# Altium PCB MCU.PcbDoc (part 1 of 3) (continued)
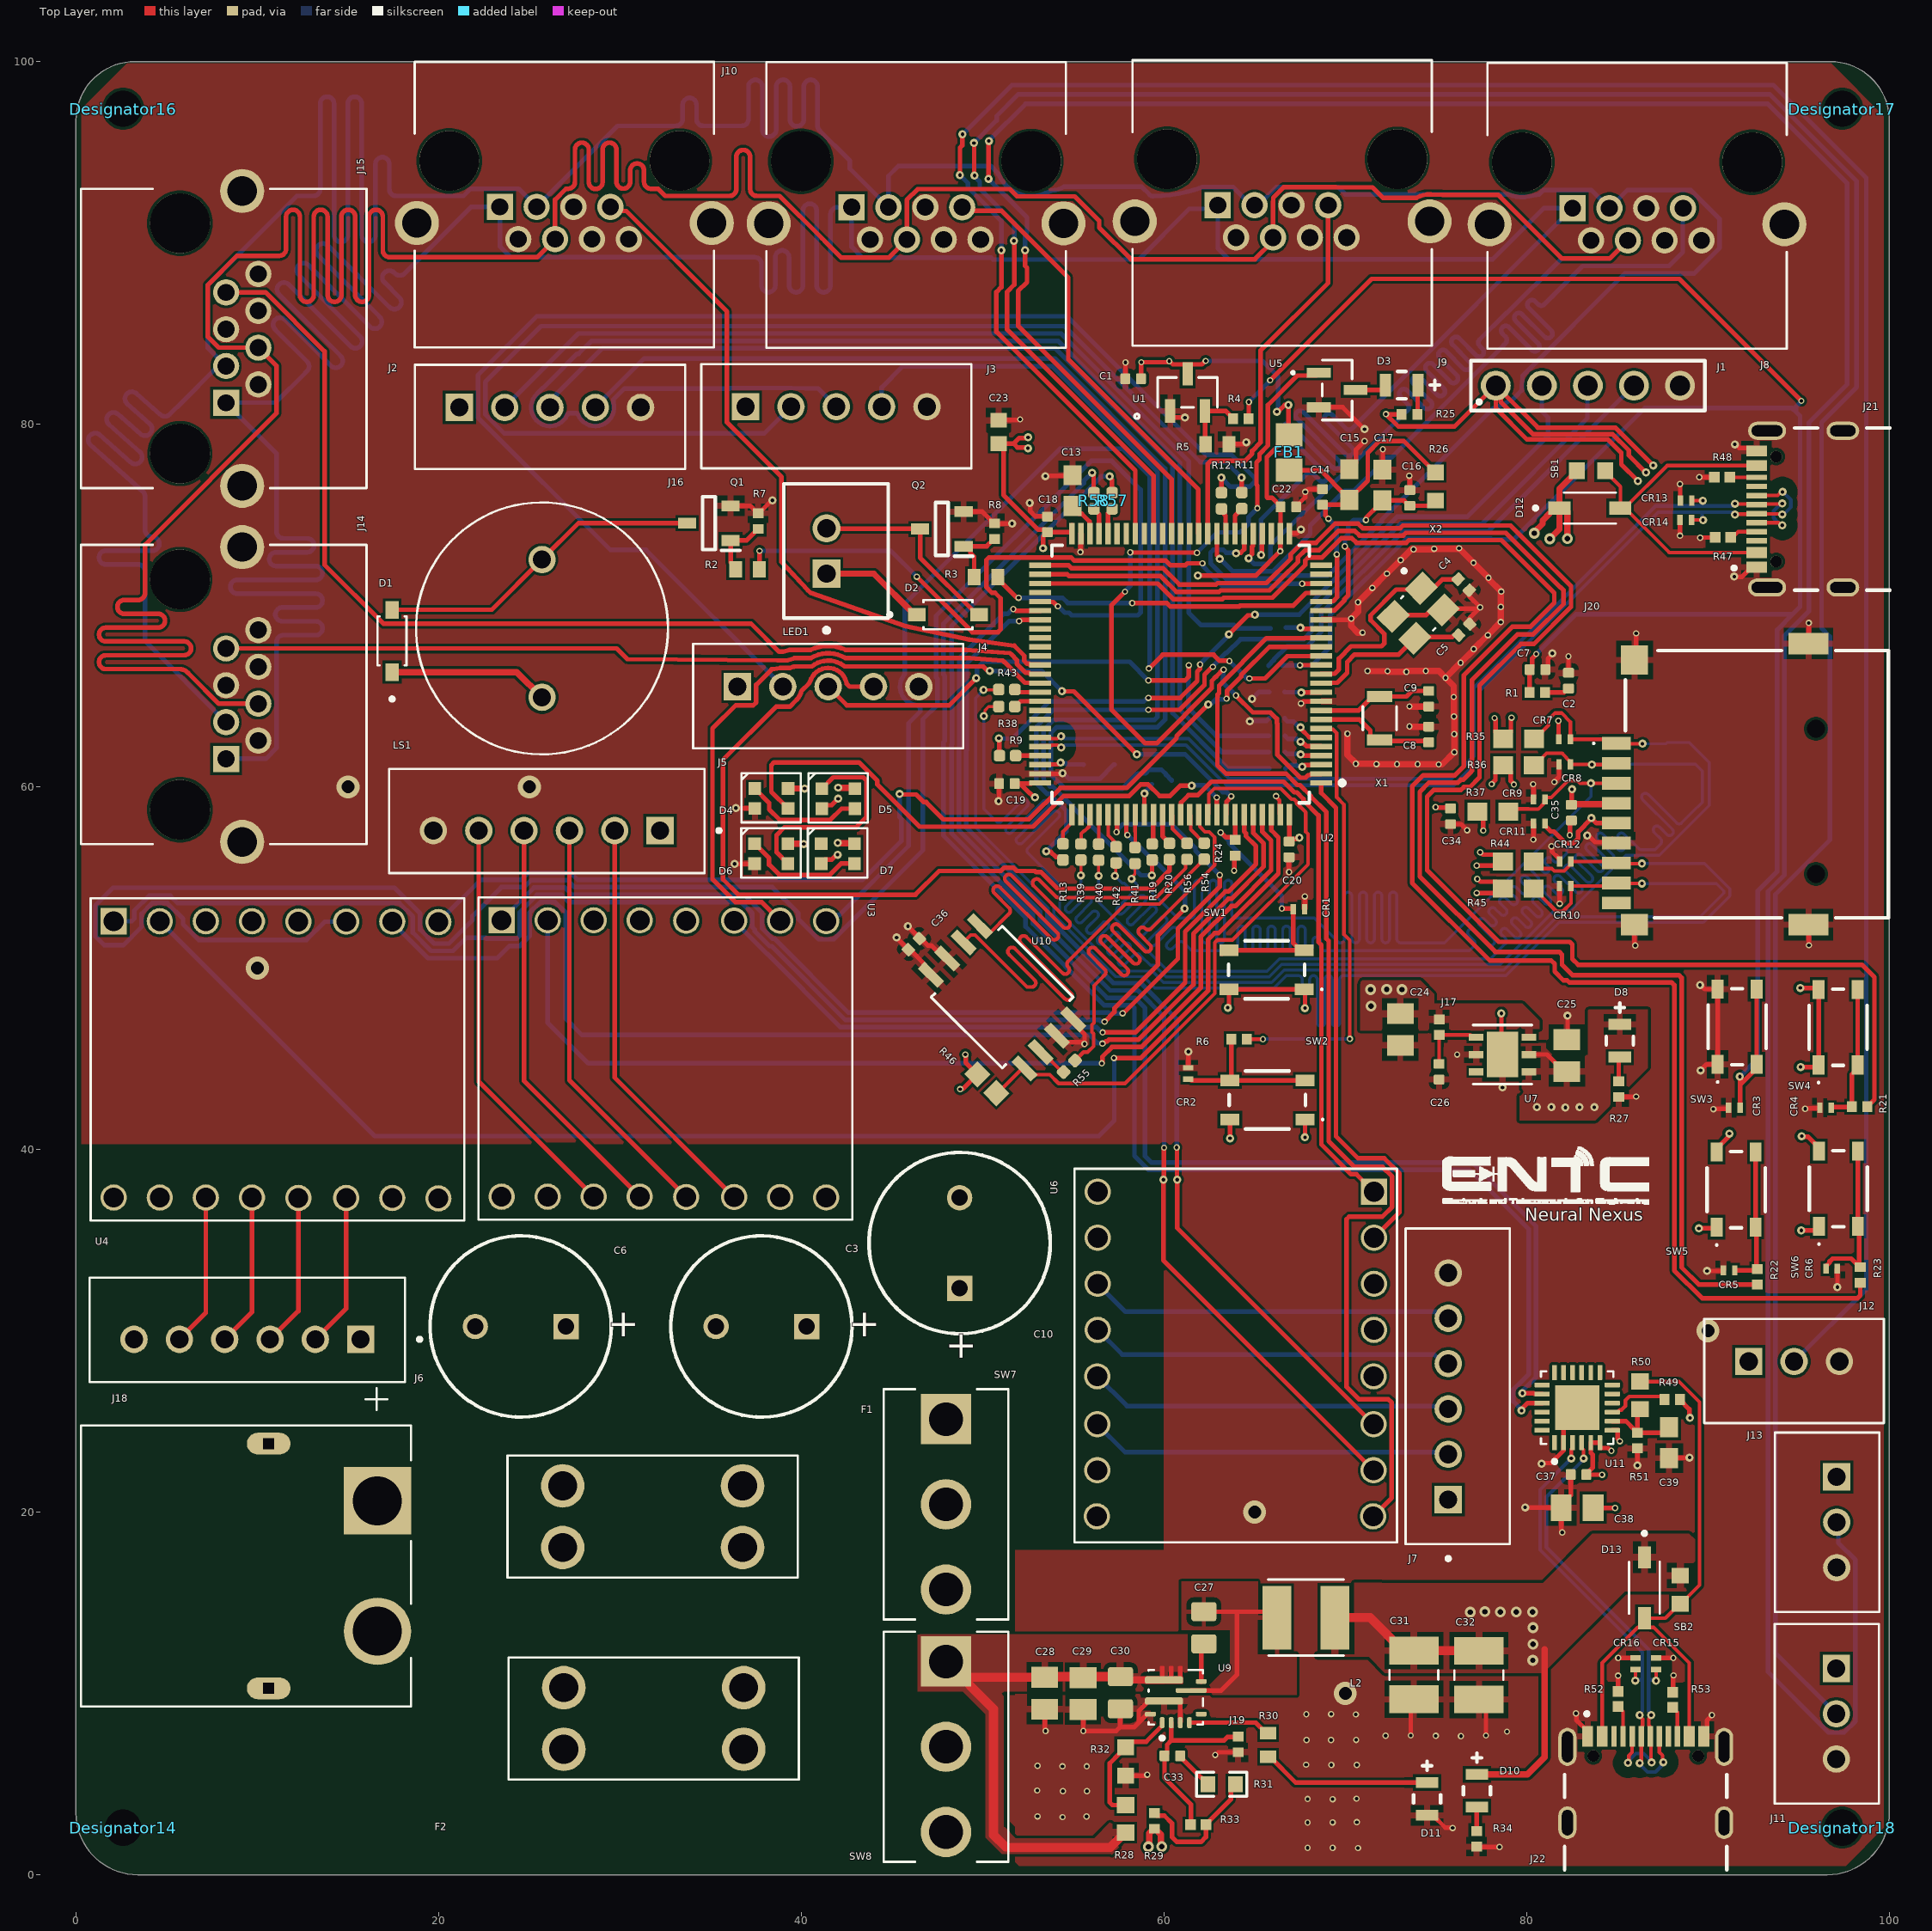
[diagram p0: Top Layer view]
## Part data (continued)
C28 C29: library part GRM21BZ71E106KE15L, "SMD capacitor X7R(MURATA) with capacitance 10uF Tol.10%. Rated voltage 25Vdc 125C", Package="2012 Murata", Check_prices=https://www.snapeda.com/parts/GRM21BZ71E106KE15L/Murata/view-part/?ref=eda, MF=Murata, MP=GRM21BZ71E106KE15L, SnapEDA_Link=https://www.snapeda.com/parts/GRM21BZ71E106KE15L/Murata/view-part/?ref=snap
C31 C32: library part GRM32ER71E226KE15L, "SMD capacitor X7R(EIA) with capacitance 22uF Tol.10%. Rated voltage 25Vdc 125C", Package="3225 Murata", Check_prices=https://www.snapeda.com/parts/GRM32ER71E226KE15L/Murata+Electronics+North+America/view-part/?ref=eda, MF="Murata Electronics", MP=GRM32ER71E226KE15L, SnapEDA_Link=https://www.snapeda.com/parts/GRM32ER71E226KE15L/Murata+Electronics+North+America/view-part/?ref=snap
C33: library part CL05C101JB5NNNC, "100 pF Â±5% 50V Ceramic Capacitor C0G, NP0 0402 (1005 Metric)", Package="SMD-2 Samsung", Check_prices=https://www.snapeda.com/parts/CL05C101JB5NNNC/Samsung/view-part/?ref=eda, MF="Samsung Electro-Mechanics", MP=CL05C101JB5NNNC, SnapEDA_Link=https://www.snapeda.com/parts/CL05C101JB5NNNC/Samsung/view-part/?ref=snap
C34: library part JMK105BJ105KV-F, "1 ÂµF Â±10% 6.3V Ceramic Capacitor X5R 0402 (1005 Metric)", Package="1005 Taiyo Yuden", Check_prices=https://www.snapeda.com/parts/JMK105BJ105KV-F/Taiyo+Yuden/view-part/?ref=eda, MF="Taiyo Yuden", MP=JMK105BJ105KV-F, SnapEDA_Link=https://www.snapeda.com/parts/JMK105BJ105KV-F/Taiyo+Yuden/view-part/?ref=snap
CR1 CR2 CR3 CR4 CR5 CR6 CR7 CR8 CR9 CR10 CR11 CR12 CR13 CR14 CR15 CR16: "Description", Manufacturer_Name="Littelfuse Inc", Copyright="Copyright (C) 2025 Ultra Librarian. All rights reserved.", Manufacturer_Part_Number=SP0402B-ULC-01ETG, RefDes=RefDes, Type=Type
D1 D2: "Small Signal Diode, SOD-123F, 100V, 0.15A, 150Â°C", Package="SOD-123F Diotec", Check_prices=https://www.snapeda.com/parts/1N4148W/Diotec/view-part/?ref=eda, MF="Diotec Semiconductor", MP=1N4148W, SnapEDA_Link=https://www.snapeda.com/parts/1N4148W/Diotec/view-part/?ref=snap
D3 D8 D10 D11: library part "RED GREEN", "LED RED CLEAR SMD", TRONIC part No=LE0011
D4 D5 D6 D7: "Intelligent control LED integrated light source", LCSC Part Number=C2976072, Manufacturer_Name=Worldsemi, Datasheet Link=http://www.world-semi.com/DownLoadFile/139, Geometry.Height=0.84mm, Manufacturer_Part_Number=WS2812C-2020
D12 D13: "Diode Schottky 40 V 1A Surface Mount SOD-123", Package="SOD-123 Fairchild Semiconductor", Availability="In Stock", Check_prices=https://www.snapeda.com/parts/1N5819HW-7-F/Diodes+Inc./view-part/?ref=eda, MF="Diodes Inc.", MP=1N5819HW-7-F, Price=None, Purchase-URL=https://pricing.snapeda.com/search/part/1N5819HW-7-F/?ref=eda, SnapEDA_Link=https://www.snapeda.com/parts/1N5819HW-7-F/Diodes+Inc./view-part/?ref=snap
F1 F2: "Auto Fuse Holder, Mini, THM, 1 Fuse, 30Amp, Hi-Temp Nylon, UL94V-0, Brass/Tin", Package="NON STANDARD Keystone", Check_prices=https://www.snapeda.com/parts/3568/Keystone/view-part/?ref=eda, MF="Keystone Electronics", MP=3568, SnapEDA_Link=https://www.snapeda.com/parts/3568/Keystone/view-part/?ref=snap
FB1: "EMI Ferrite Chip Bead, 0805, 1000MA, 1000 Ohms @100MHz, DCR Max 0.150Ohm", Package="0805 Laird", Check_prices=https://www.snapeda.com/parts/MI0805J102R-10/Laird-Signal+Integrity+Products/view-part/?ref=eda, MF="Laird-Signal Integrity Products", MP=MI0805J102R-10, SnapEDA_Link=https://www.snapeda.com/parts/MI0805J102R-10/Laird-Signal+Integrity+Products/view-part/?ref=snap
J1: library part B5B-XH-A, "Connector Header Through Hole 5 position 0.098 (2.50mm)", Package=None, Check_prices=https://www.snapeda.com/parts/B5B-XH-A/JST+Sales+America+Inc./view-part/?ref=eda, MF="JST Sales", MP=B5B-XH-A, SnapEDA_Link=https://www.snapeda.com/parts/B5B-XH-A/JST+Sales+America+Inc./view-part/?ref=snap
J2 J3 J4: library part B5B-XH-A_1, "Connector Header Through Hole 5 position 0.098 (2.50mm)", Package=None, Check_prices=https://www.snapeda.com/parts/B5B-XH-A/JST+Sales+America+Inc./view-part/?ref=eda, MF="JST Sales", MP=B5B-XH-A, SnapEDA_Link=https://www.snapeda.com/parts/B5B-XH-A/JST+Sales+America+Inc./view-part/?ref=snap
J5 J6 J7: "Connector Header Through Hole 6 position 0.098 (2.50mm)", Package=None, Availability=Unavailable, MF="{'manufacturer': u'JST Sales America Inc.'}", MP=B6B-XH-A, Price=None
J8 J9 J10 J14 J15 J16: library part RJHSE5380, "CONN MOD JACK 8P8C R/A SHIELDED", Package=None, Availability=Unavailable, MF=Amphenol, MP=RJHSE5380, Price=None
J11 J12 J13: "Connector Header Through Hole 3 position 0.098 (2.50mm)", Package=None, Check_prices=https://www.snapeda.com/parts/B3B-XH-A/JST/view-part/?ref=eda, MF="JST Sales", MP=B3B-XH-A, SnapEDA_Link=https://www.snapeda.com/parts/B3B-XH-A/JST/view-part/?ref=snap
J17 J19 R7 R8 R24: library part SMD-RES-10K-5%-1/(0402), "301010004", Package=None, Availability=Unavailable, MF="{'manufacturer': u'YAGEO'}", MP=RC0402JR-0710KL, Price=None
J18: "Socket, DC supply, male, PIN: 2", LCSC Part Number=C98732, Package=Package, Check_prices=https://www.snapeda.com/parts/XT60PW-M/AMASS/view-part/?ref=eda, MF=AMASS, MP=XT60PW-M, SnapEDA_Link=https://www.snapeda.com/parts/XT60PW-M/AMASS/view-part/?ref=snap
J20: "-25~+85 1.8mm Tin Deck MicroSD card (TF card) 260 C5191 Self bomb SMD SD Card Connectors ROHS", Manufacturer_Name=XUNPU, Datasheet Link=https://datasheet.lcsc.com/lcsc/2109061830_XUNPU-TF-115-BCP9_C720505.pdf, Geometry.Height=2mm, Manufacturer_Part_Number=TF-115-BCP9
J21: library part USB4105-GF-A, "CONN RCP USB2.0 TYP C 16P SMD RA", Package=None, Availability=Unavailable, MF="{'manufacturer': u'GCT'}", MP=USB4105-GF-A, Price=None
J22: library part USB4105-GF-A, "CONN RCP USB2.0 TYP C 16P SMD RA", LCSC Part Number=C5184243, Package=None, Availability=Unavailable, MF="{'manufacturer': u'GCT'}", MP=USB4105-GF-A, Price=None
L2: library part 33uH, "FHD4020S-3R3MT", TRONIC part No=IN0008
LED1: library part "JST 2 pin", "B2B-XH-A(LF)(SN) / CONN HEADER VERT 2POS 2.5MM", Color=Natural, Contact Resistance=20mR, Current Rating=3A, Housing Color=White, Insulation Resistance=1GR, LCSC Part No=C158012, Max Operating Temperature=85°C, Max Voltage Rating (AC)=250V, Min Operating Temperature=-25°C, Connector Type="Male Pin", Contact Material=Brass, Contact Plating=Tin, Contact Type="Male Pin", Depth=5.75mm, Fastening Type=Detent, Housing Material=Polyamide, Lead Free="Lead Free", Lead Pitch=2.5mm, Length=7.4mm, Max Current Rating=3A, Max Voltage Rating (DC)=250V, Mount="Through Hole", Number of Contacts=2, Number of Positions=2, Number of Rows=1, Orientation=Straight, Packaging=Bulk, Pitch=2.5mm, REACH SVHC="No SVHC", Series=XH, Termination=Solder, Voltage Rating=250V, Voltage Rating (AC)=250V, Wire/Cable Gauge=22AWG
LS1: library part KPEG242-5V, Package=None, Availability=Unavailable, MP=KPEG242-5V, Price=None
Q1 Q2: "RoHS Compliant; Small package discrete", Manufacturer_Name=onsemi, Mouser Part Number=863-2N7002LT3G, Arrow Part Number=2N7002LT3G, Arrow Price/Stock=https://www.arrow.com/en/products/2n7002lt3g/on-semiconductor?utm_currency=USD&region=nac, Datasheet Link=https://www.onsemi.com/pub/Collateral/2N7002L-D.PDF, Geometry.Height=1.11mm, Manufacturer_Part_Number=2N7002LT3G, Mouser Price/Stock=https://www.mouser.co.uk/ProductDetail/onsemi/2N7002LT3G?qs=vLkC5FC1VN%2FhV1CBpCulsw%3D%3D
R1 R6 R21 R22 R23 R27: library part RC0402FR-07330RL, "330 Ohms Â±1% 0.063W, 1/16W Chip Resistor 0402 (1005 Metric) Moisture Resistant Thick Film", Package="1005 Panasonic Electronic Components", Check_prices=https://www.snapeda.com/parts/RC0402FR-07330RL/Yageo/view-part/?ref=eda, MF=Yageo, MP=RC0402FR-07330RL, SnapEDA_Link=https://www.snapeda.com/parts/RC0402FR-07330RL/Yageo/view-part/?ref=snap
R2 R3: library part RC0402FR-07100RL, "100 Ohms Â±1% 0.063W, 1/16W Chip Resistor 0402 (1005 Metric) Moisture Resistant Thick Film", Package="0402 Yageo", Check_prices=https://www.snapeda.com/parts/RC0402FR-07100RL/Yageo/view-part/?ref=eda, MF=Yageo, MP=RC0402FR-07100RL, SnapEDA_Link=https://www.snapeda.com/parts/RC0402FR-07100RL/Yageo/view-part/?ref=snap
R4 R25 R34: library part RC0402FR-071K5L, "1.5 kOhms Â±1% 0.063W, 1/16W Chip Resistor 0402 (1005 Metric) Moisture Resistant Thick Film", Package="1005 Panasonic Electronic Components", Check_prices=https://www.snapeda.com/parts/RC0402FR-071K5L/Yageo/view-part/?ref=eda, MF=Yageo, MP=RC0402FR-071K5L, SnapEDA_Link=https://www.snapeda.com/parts/RC0402FR-071K5L/Yageo/view-part/?ref=snap
R5 R30: library part RC0402FR-07100KL, "100 kOhms Â±1% 0.063W, 1/16W Chip Resistor 0402 (1005 Metric) Moisture Resistant Thick Film", Package="0402 Yageo", Check_prices=https://www.snapeda.com/parts/RC0402FR-07100KL/Yageo/view-part/?ref=eda, MF=Yageo, MP=RC0402FR-07100KL, SnapEDA_Link=https://www.snapeda.com/parts/RC0402FR-07100KL/Yageo/view-part/?ref=snap
R9 R10 R11 R12 R13 R14 R15 R16 R17 R18 R19 R20 R38 R39 R40 R41 R42 R43 R54 R55 R56 R57 R58: library part SMD-RES-22R-1%-1/16W(0402), "22 Ohms Â±1% 0.063W, 1/16W Chip Resistor 0402 (1005 Metric) Moisture Resistant Thick Film", Package="0402 Yageo", Check_prices=https://www.snapeda.com/parts/RC0402FR-0722RL/Yageo/view-part/?ref=eda, MF=Yageo, MP=RC0402FR-0722RL, SnapEDA_Link=https://www.snapeda.com/parts/RC0402FR-0722RL/Yageo/view-part/?ref=snap
R26 SB1 SB2: library part CR0603AJ/-000EAS, "Resistor, AS 0603 0R Jumper 100mW, AEC-Q, Anti-Sulur", Package="0603-2 Bourns", Check_prices=https://www.snapeda.com/parts/CR0603AJ/-000EAS/Bourns/view-part/?ref=eda, MF="Bourns Inc.", MP=CR0603AJ/-000EAS, SnapEDA_Link=https://www.snapeda.com/parts/CR0603AJ/-000EAS/Bourns/view-part/?ref=snap
R28: library part RMCF0603FT169K, "169 kOhms Â±1% 0.1W, 1/10W Chip Resistor 0603 (1608 Metric) Automotive AEC-Q200 Thick Film", Package="1508 Stackpole", Check_prices=https://www.snapeda.com/parts/RMCF0603FT169K/Stackpole+Electronics/view-part/?ref=eda, MF="Stackpole Electronics Inc", MP=RMCF0603FT169K, SnapEDA_Link=https://www.snapeda.com/parts/RMCF0603FT169K/Stackpole+Electronics/view-part/?ref=snap
R29: library part CRCW040249R9FKED, "Resistor,Thick Film,49.9 Ohms,0.063 W,1%,SMT,0402,TCR 37 ppm/DegC,Cut Tape", Package="1005 Panasonic Electronic Components", Check_prices=https://www.snapeda.com/parts/CRCW040249R9FKED/Vishay+Dale/view-part/?ref=eda, MF="Vishay Dale", MP=CRCW040249R9FKED, SnapEDA_Link=https://www.snapeda.com/parts/CRCW040249R9FKED/Vishay+Dale/view-part/?ref=snap
R31: library part SMD-RES-20K-1%-1/10W(0603), "20 kOhms Â±1% 0.1W, 1/10W Chip Resistor 0603 (1608 Metric) Moisture Resistant Thick Film", Package="0603 Yageo", Check_prices=https://www.snapeda.com/parts/RC0603FR-0720KL/Yageo/view-part/?ref=eda, MF=Yageo, MP=RC0603FR-0720KL, SnapEDA_Link=https://www.snapeda.com/parts/RC0603FR-0720KL/Yageo/view-part/?ref=snap
R32: library part RT0603BRD0736K1L, "RES SMD 36.1KOHM 0.1% 1/10W 0603", Package=None, Availability=Unavailable, MF="{'manufacturer': u'YAGEO'}", MP=RT0603BRD0736K1L, Price=None
R33: library part RMCF0402FT73K2, "RES 73.2K OHM 1% 1/16W 0402", Package=None, Availability=Unavailable, MP=RMCF0402FT73K2, Price=None
R35 R36 R37 R44 R45: library part RC0603FR-0747KL, "47 kOhms Â±1% 0.1W, 1/10W Chip Resistor 0603 (1608 Metric) Moisture Resistant Thick Film", Package="SMD-2 Yageo", Check_prices=https://www.snapeda.com/parts/RC0603FR-0747KL/Yageo/view-part/?ref=eda, MF=Yageo, MP=RC0603FR-0747KL, SnapEDA_Link=https://www.snapeda.com/parts/RC0603FR-0747KL/Yageo/view-part/?ref=snap
R46: library part RC0603FR-07100KL, "100 kOhms Â±1% 0.1W, 1/10W Chip Resistor 0603 (1608 Metric) Moisture Resistant Thick Film", Package="0603 Yageo", Check_prices=https://www.snapeda.com/parts/RC0603FR-07100KL/Yageo/view-part/?ref=eda, MF=Yageo, MP=RC0603FR-07100KL, SnapEDA_Link=https://www.snapeda.com/parts/RC0603FR-07100KL/Yageo/view-part/?ref=snap
R47 R48 R52 R53: library part RMCF0402FT5K10, "5.1 kOhms Â±1% 0.063W, 1/16W Chip Resistor 0402 (1005 Metric) Automotive AEC-Q200 Thick Film", Package="1005 Stackpole", Check_prices=https://www.snapeda.com/parts/RMCF0402FT5K10/Stackpole+Electronics/view-part/?ref=eda, MF="Stackpole Electronics Inc", MP=RMCF0402FT5K10, SnapEDA_Link=https://www.snapeda.com/parts/RMCF0402FT5K10/Stackpole+Electronics/view-part/?ref=snap
R49: library part RC0402FR-071KL, "1 kOhms Â±1% 0.063W, 1/16W Chip Resistor 0402 (1005 Metric) Moisture Resistant Thick Film", Package="0402-2 YAGEO", Check_prices=https://www.snapeda.com/parts/RC0402FR071KL/Yageo/view-part/?ref=eda, MF="Yageo Corporation", MP=RC0402FR071KL, SnapEDA_Link=https://www.snapeda.com/parts/RC0402FR071KL/Yageo/view-part/?ref=snap
R50: library part RMCF0603FT22K1, "22.1 kOhms Â±1% 0.1W, 1/10W Chip Resistor 0603 (1608 Metric) Automotive AEC-Q200 Thick Film", Package="1508 Stackpole", Check_prices=https://www.snapeda.com/parts/RMCF0603FT22K1/Stackpole+Electronics/view-part/?ref=eda, MF="Stackpole Electronics Inc", MP=RMCF0603FT22K1, SnapEDA_Link=https://www.snapeda.com/parts/RMCF0603FT22K1/Stackpole+Electronics/view-part/?ref=snap
R51: library part RC0402FR-0747K5L, "47.5 kOhms Â±1% 0.063W, 1/16W Chip Resistor 0402 (1005 Metric) Moisture Resistant Thick Film", Package="1005 Panasonic Electronic Components", Check_prices=https://www.snapeda.com/parts/RC0402FR-0747K5L/Yageo/view-part/?ref=eda, MF=Yageo, MP=RC0402FR-0747K5L, SnapEDA_Link=https://www.snapeda.com/parts/RC0402FR-0747K5L/Yageo/view-part/?ref=snap
SW1 SW2 SW3 SW4 SW5 SW6: "Tactile Switch SPST 2.5mm 4.2mm x 3.25mm Surface Mount", LCSC Part Number=C455282, Manufacturer_Name="ALPS Electric", Datasheet Link=https://tech.alpsalpine.com/e/products/detail/SKRPANE010/#ancFig2, Geometry.Height=2.5mm, Manufacturer_Part_Number=TS-1089S-02526
SW7 SW8: library part 100SP3T1B1M2QE, "TOGGLE, 5A, 120VAC/28VDC SPDT, On-Off-On, Panel Mount, Through Hole", Package=None, Check_prices=https://www.snapeda.com/parts/100SP3T1B1M2QE/E-Switch/view-part/?ref=eda, MF=E-Switch, MP=100SP3T1B1M2QE, SnapEDA_Link=https://www.snapeda.com/parts/100SP3T1B1M2QE/E-Switch/view-part/?ref=snap
U1: library part MAX809TEUR+T_1, "3-Pin Microprocessor Reset Circuits", Manufacturer_Name="Analog Devices Inc", Copyright="Copyright (C) 2026 Ultra Librarian. All rights reserved.", Manufacturer_Part_Number=MAX809TEUR+T, RefDes=RefDes, Type=Type
U2: library part CMP-12105-000050-1, "IC MCU 32BIT 2MB FLASH 100LQFP", Ambient Temperature Range High=+85°C, Ambient Temperature Range Low=-40°C, Frequency=480MHz, Manufacturer=STMicroelectronics, Max Junction Temp=+125°C, Max Supply Voltage=3.6V, Min Supply Voltage=1.71V, Package=LQFP100-1L, Temperature="-40°C to +125°C", Automotive=No, Category=IC, ComponentLink2Description=Datasheet, ComponentLink2URL=https://www.st.com/resource/en/datasheet/stm32h743vi.pdf, Core Architecture="Arm Cortex-M7", Data Bus Width=32bits, Device Class L1="Integrated Circuits (ICs)", Device Class L2="Embedded Processors and Controllers", Device Class L3=Microcontrollers, Digikey Description="IC MCU 32BIT 2MB FLASH 100LQFP", Height=1.6mm, Interface=I2C,SPI,UART,USART,USB,LIN,IrDA,Ethernet,I2S,Other, Ipc Land Pattern Name=QFP50P1600X1600X160-100, Lead Free=Yes, Manufacturer Part Number=STM32H743VIT6, Memory Size=2MBytes, Memory Type=FLASH, Number Of A/D Converters=3, Number Of Adc Channels=36, Number Of Cores=1, Number Of Ethernet Channels=1, Number Of I2C Channels=4, Number Of I/Os=82, Number Of Pwm Channels=42, Number Of Spi Channels=6, Number Of Timers/Counters=20, Number Of Uart Channels=9, Number Of Usb Channels=2, Octopart=https://octopart.com/stm32h743vit6-stmicroelectronics-76372527, Ram Size=1060KBytes, RoHS=TRUE, Standoff Height=0.05mm, Temperature Range High=+125°C, Temperature Range Low=-40°C
U5: "TRANS PREBIAS NPN 50V SOT23-3", Manufacturer_Name=onsemi, Copyright="Copyright (C) 2025 Ultra Librarian. All rights reserved.", Manufacturer_Part_Number=MMUN2211LT1G, RefDes=RefDes, Type=Type
U7: "Very low quiescent BiCMOS voltage regulator", Manufacturer_Name=STMicroelectronics, Copyright="Copyright (C) 2026 Ultra Librarian. All rights reserved.", Manufacturer_Part_Number=ST1L05CPU33R, RefDes=RefDes, Type=Type
U9: "4.5-V to 28-V, 6-A synchronous buck converter with ULQ-Mode 10-VQFN-HR -40 to 150", Manufacturer_Name="Texas Instruments", Copyright="Copyright (C) 2026 Ultra Librarian. All rights reserved.", Manufacturer_Part_Number=TPS56637RPAR, RefDes=RefDes, Type=TYPE
U10: "IC FLASH 64MBIT SPI/QUAD 8SOIC", Manufacturer_Name=Winbond, Copyright="Copyright (C) 2025 Ultra Librarian. All rights reserved.", Manufacturer_Part_Number=W25Q64JVSSIQ, RefDes=RefDes, Type=Type
U11: "IC USB TO UART BRIDGE QFN24", Package=None, Availability=Unavailable, MP=CP2102N-A02-GQFN24R, Price=None
X1: library part ABS07-32.768KHZ-7-T, "Description", Manufacturer_Name=Abracon, Copyright="Copyright (C) 2025 Ultra Librarian. All rights reserved.", Manufacturer_Part_Number=ABS07-32.768KHZ-7-T
X2: library part ABM8G-25.000MHZ-B4Y-T, "25 MHz Â±30ppm Crystal 10pF 60 Ohms 4-SMD, No Lead", Package="SMD-4 Abracon", Availability="In Stock", Check_prices=https://www.snapeda.com/parts/ABM8G-25.000MHZ-B4Y-T/Abracon+LLC/view-part/?ref=eda, MF=Abracon, MP=ABM8G-25.000MHZ-B4Y-T, Price=None, Purchase-URL=https://pricing.snapeda.com/search/part/ABM8G-25.000MHZ-B4Y-T/?ref=eda, SnapEDA_Link=https://www.snapeda.com/parts/ABM8G-25.000MHZ-B4Y-T/Abracon+LLC/view-part/?ref=snap

## Via types
v1: diameter 0.35, hole 0.2, Top Layer to Bottom Layer, 187 vias
v2: diameter 0.45, hole 0.2, Top Layer to Bottom Layer, 141 vias
v3: diameter 0.6, hole 0.3, Top Layer to Bottom Layer, 17 vias
v4: diameter 1.27, hole 0.711, Top Layer to Bottom Layer, 6 vias

## Nets (pads, with @x,y where several pads share a name; then routed paths per layer and width w, separated by ;. In a path a pad name is that pad's centre, name@x,y a point inside that pad or via, vN(x,y) a via of type N, cw(c..) or ccw(c..) an arc to the next point about the centre after c; other vN are vias at no path point)
3V3: C1.2 C11.2 C18.2 C19.2 C20.2 C21.2 C22.2 C23.2 C25.2 C34.2 C35.2 C37.2 C38.2 D8.1 FB1.2 J1.1 J20.4 R25.2 R35.2 R36.2 R37.2 R44.1 R45.1 R46.2 R49.2 SW1.1 SW1.2 SW2.1 SW2.2 SW4.1 SW4.2 SW5.1 SW5.2 SW6.1 SW6.2 U1.3 U2.6 U2.11 U2.27 U2.50 U2.75 U2.100 U3.10 U4.10 U6.10 U7.4 U7.5 U11.5 U11.6 U11.7 | length 150.5
  Top Layer w0.254: v1(48.76,43.33) 48.778,43.348 48.909,43.348 R46.2@49.711,44.149 49.068,44.792 49.068,45.222 v1(49.05,45.24) ; 51.719,78.932 52.029,79.242 52.472,79.242 v2(52.51,79.28) ; C19.2@51.77,60.18 52.06,60.18 ; v2(52.5,78.68) 52.462,78.718 51.92,78.718 51.705,78.932 C23.2@50.88,78.932 51.147,78.665 51.147,76.104 53.063,74.189 53.437,74.189 C18.2@53.58,74.046 ; v2(52.89,59.42) 52.837,59.42 52.585,59.672 52.568,59.672 52.06,60.18 ; U2.75@53.17,60.22 52.72,60.22 52.68,60.18 52.06,60.18 ; v2(53.33,73.16) 53.33,73.796 53.407,73.873 53.407,73.903 53.55,74.046 C18.2@53.58,74.046 ; U2.50@54.92,74.42 U2.50@54.92,73.97 54.92,74.023 54.897,74.046 C18.2@53.58,74.046 ; C1.2@58.732,82.51 58.741,82.519 58.741,83.411 v1(58.75,83.42) 60.204,83.42 60.264,83.48 v1(60.29,83.48) 60.316,83.48 60.493,83.302 62.087,83.302 62.274,83.49 v1(62.3,83.49) ; v2(61.87,71.66) 65.07,71.66 66.415,73.005 66.415,73.965 U2.27@66.42,73.97 66.428,73.978 C22.2@66.428,75.44 66.428,75.47 65.946,75.952 65.708,75.952 65.67,75.99 65.67,78.19 66.292,78.812 66.292,78.905 FB1.2@66.808,79.42 ; v2(63.52,47.82) 63.52,47.873 63.585,47.938 SW1.2@63.585,48.835 SW1.1@67.735,48.835 67.78,48.79 v2(67.78,47.8) ; SW2.2@63.625,41.655 63.64,41.64 v2(63.64,40.62) ; v2(66.232,80.69) 66.285,80.69 66.655,81.06 v2(66.86,81.06) 66.86,79.46 FB1.2@66.9,79.42 ; U2.100@66.92,58.47 66.91,58.46 66.91,56.992 67.043,57.125 67.342,57.125 67.417,57.2 v2(67.47,57.2) ; v2(67.53,63.28) 67.568,63.242 67.568,63.181 68.005,62.743 68.647,62.743 U2.6@68.67,62.72 ; v2(67.57,65.2) 67.58,65.21 68.66,65.21 U2.11@68.67,65.22 ; SW2.1@67.775,41.655 67.78,41.65 v2(67.78,40.67) ; R25.2@73.106,80.54 73.096,80.55 72.25,80.55 v1(72.24,80.56) 72.92,79.88 76.02,79.88 78.27,82.13 J1.1@78.3,82.13 ; v1(74.98,58.88) 74.998,58.862 75.748,58.862 C34.2@75.8,58.81 ; v1(77.25,54.15) 78.44,54.15 R45.1@78.69,54.4 78.317,54.773 77.453,54.773 77.306,54.92 v1(77.28,54.92) ; v1(77.25,55.66) 78.46,55.66 R44.1@78.69,55.89 78.317,56.263 77.593,56.263 77.466,56.39 v1(77.44,56.39) ; R37.2@77.29,58.64 77.61,58.32 v1(77.61,57.59) ; v1(78.07,60.15) 78.07,60.176 78.277,60.383 78.277,60.827 78.65,61.2 78.75,61.2 79.123,60.827 79.123,60.333 79.3,60.156 v1(79.3,60.13) ; v1(78.23,63.8) 78.23,63.774 78.287,63.717 78.287,63.023 78.66,62.65 78.76,62.65 79.133,63.023 79.133,63.757 79.17,63.794 v1(79.17,63.82) ; U7.5@80.12,45.24 81.12,45.24 82.06,44.3 C25.2@82.22,44.3 ; C35.2@82.47,59.012 82.485,59.027 82.485,59.855 v2(82.5,59.87) ; C37.2@83.294,22.07 83.299,22.065 84.155,22.065 v1(84.16,22.06) ; C37.2@83.294,22.1 83.642,22.448 83.642,23.168 83.543,23.267 83.543,23.827 U11.5@83.54,23.83 U11.6@84.04,23.83 84.04,23.54 84.043,23.537 84.497,23.537 84.654,23.38 v1(84.68,23.38) ; C38.2@83.67,20.25 83.69,20.23 v1(84.88,20.23) ; U11.7@84.725,24.515 85.015,24.515 85.018,24.512 85.018,24.058 85.14,23.936 v1(85.14,23.91) ; v2(86.14,76.87) 85.22,77.79 85.22,78.43 84.49,79.16 80.02,79.16 78.3,80.88 J1.1@78.3,82.13 ; v2(86.58,77.34) 85.636,78.284 85.636,78.554 84.73,79.46 80.35,79.46 78.567,81.243 78.567,81.863 J1.1@78.48,81.95 ; v2(86.98,77.73) 84.895,79.815 80.615,79.815 J1.1@78.48,81.95 ; R49.2@88.464,26.21 88.464,26.18 88.972,25.672 88.972,25.238 v2(89.01,25.2) ; v2(89.5,35.65) 90.42,35.65 SW5.1@90.48,35.71 ; SW5.2@90.48,39.86 90.48,40.06 91.142,40.722 91.142,40.842 v2(91.18,40.88) ; v2(95.09,48.91) 96.01,48.91 SW4.2@96.105,48.815 SW4.1@96.105,44.665 95.99,44.55 v2(95.11,44.55) ; v2(95.15,35.54) 95.922,35.54 96.12,35.738 SW6.1@96.12,35.76 ; v2(95.17,40.74) 95.208,40.702 95.528,40.702 96.12,40.11 SW6.2@96.12,39.91 ; J1.1@78.3,82.13 J1.1@78.48,81.95
  Top Layer w0.35: C35.2@82.47,59.012 82.514,59.056 84.906,59.056 J20.4@84.95,59.1
  Power w0.254: U6.10@56.341,35.131 58.241,35.131 63.602,40.493 63.602,40.582 v2(63.64,40.62) 63.665,40.645 67.755,40.645 v2(67.78,40.67) ; 86.58,75.59 86.63,75.54 86.63,75.29 ; 86.99,75.51 87.06,75.58
  Bottom Layer w0.254: v1(62.3,83.49) 65.429,83.49 66.307,82.612 66.307,80.818 66.232,80.743 v2(66.232,80.69) ; C11.2@66.66,63.78 66.66,63.75 66.803,63.607 67.15,63.607 67.477,63.28 v2(67.53,63.28) ; C21.2@66.662,65.24 66.682,65.22 67.55,65.22 v2(67.57,65.2)
  other v1: 66.41,73
  other v2: 82.14,42.32 80.57,42.34 81.36,42.34 82.92,42.33 83.73,42.33
5V: C24.2 C31.2 C32.2 D1.C D2.C D4.4 D5.4 D6.4 D7.4 D10.1 D12.C D13.C J2.1 J3.1 J4.1 J5.1 J6.1 J7.1 J11.1 J12.1 J13.1 J17.2 L2.2 LED1.1 LS1.P R29.2 SB1.1 SB2.1 U7.6 | length 47.4
  Top Layer w0.35: D1.C@17.43,66.33 24.31,66.33 LS1.P@25.7,64.94 ; D6.4@39.255,56.87 39.265,56.86 40.13,56.86 v2(40.14,56.85) ; D4.4@39.265,59.91 v2(40.18,59.91) ; LED1.1@41.39,71.76 43.99,71.76 46.25,69.5 D2.C@46.37,69.5 ; v2(42.01,56.91) 42.029,56.891 42.909,56.891 D7.4@42.93,56.87 ; v2(42.03,59.96) 42.049,59.941 42.919,59.941 D5.4@42.96,59.9 ; v3(59.14,1.54) 59.188,1.588 59.188,2.288 59.44,2.54 59.5,2.54 59.822,2.218 59.822,1.608 v3(59.87,1.56) ; D10.1@77.26,5.53 80.04,5.53 81,6.49 81,12.437 ; v3(80.43,73.99) 80.43,74.058 80.883,74.511 80.883,74.693 D12.C@81.26,75.07 ; v3(81.28,73.68) 81.81,74.21 D12.C@81.81,75.38 ; v3(82.25,73.69) 82.24,73.7 82.24,75.19 82.05,75.38 D12.C@81.81,75.38 ; SB1.1@82.77,77.43 82.77,77.4 81.81,76.44 D12.C@81.81,75.38
  Top Layer w0.5: L2.2@69.43,14.18 71.366,14.18 73.185,12.361 C31.2@73.78,12.361 77.359,12.361 C32.2@77.37,12.35
  other v3: 80.34,11.83 80.36,12.72 80.36,13.63 76.9,14.48 79.43,14.49 80.33,14.49 77.7,14.51 78.55,14.5 71.42,47.91 71.4,48.82 73.12,48.82 72.28,48.84
12V_IN: F1.1 F1.3 F2.1 F2.3 J18.1 | length 0.5
  Power w2.15: J18.1@16.625,20.63 J18.1@17.049,20.63 ; 20.861,19.769 20.88,19.75
12V_LOGIC: C28.2 C29.2 C30.2 R28.2 SW8.1 U9.8 | length 29.4
  Top Layer w0.381: C30.2@57.6,10.928 57.779,10.749 59.99,10.749 U9.8@60,10.74
  Top Layer w0.5: SW8.1@47.98,11.76 50.6,9.14 50.6,2.2 51.27,1.53 ; SW8.1@48.85,10.89 C28.2@53.43,10.89 ; 51.61,1.51 57.035,1.51 57.845,2.32 R28.2@57.88,2.32 ; C28.2@53.468,10.928 C29.2@55.54,10.928 ; C29.2@55.54,10.87 55.598,10.928 C30.2@57.6,10.928
12V_MOTOR: C3.1 C6.1 C10.1 SW7.1 U3.16 U4.16 U6.16
BOOT0: CR1.2 R24.2 SW1.3 SW1.4 U2.94 | length 15.6
  Top Layer w0.254: v1(63.128,57.481) 63.154,57.481 63.42,57.215 63.787,57.215 63.925,57.077 63.925,58.465 U2.94@63.92,58.47 ; SW1.4@63.195,50.795 63.385,50.985 SW1.3@67.535,50.985 ; v1(66.5,53.29) 67.097,53.29 67.122,53.265 CR1.2@67.122,53.25 67.122,51.397 SW1.3@67.535,50.985 ; SW1.3@67.735,50.985 SW1.3@67.535,50.985
  Bottom Layer w0.254: v1(63.128,57.481) 63.589,57.021 63.589,56.901 66.5,53.99 v1(66.5,53.29)